# Altium PCB 2012_FDP_PCB.PcbDoc (part 3 of 3)
Units mil, origin at the board's own origin, x right, y up, seen from the top; angles counter-clockwise.
Board outline 5511.81 x 10236.22 mil, 4 copper layers (1-TOP, 2-GND, 3-SIGNAL, 4-BOT); 256 components, 200 nets, 1006 pads, 500 vias.
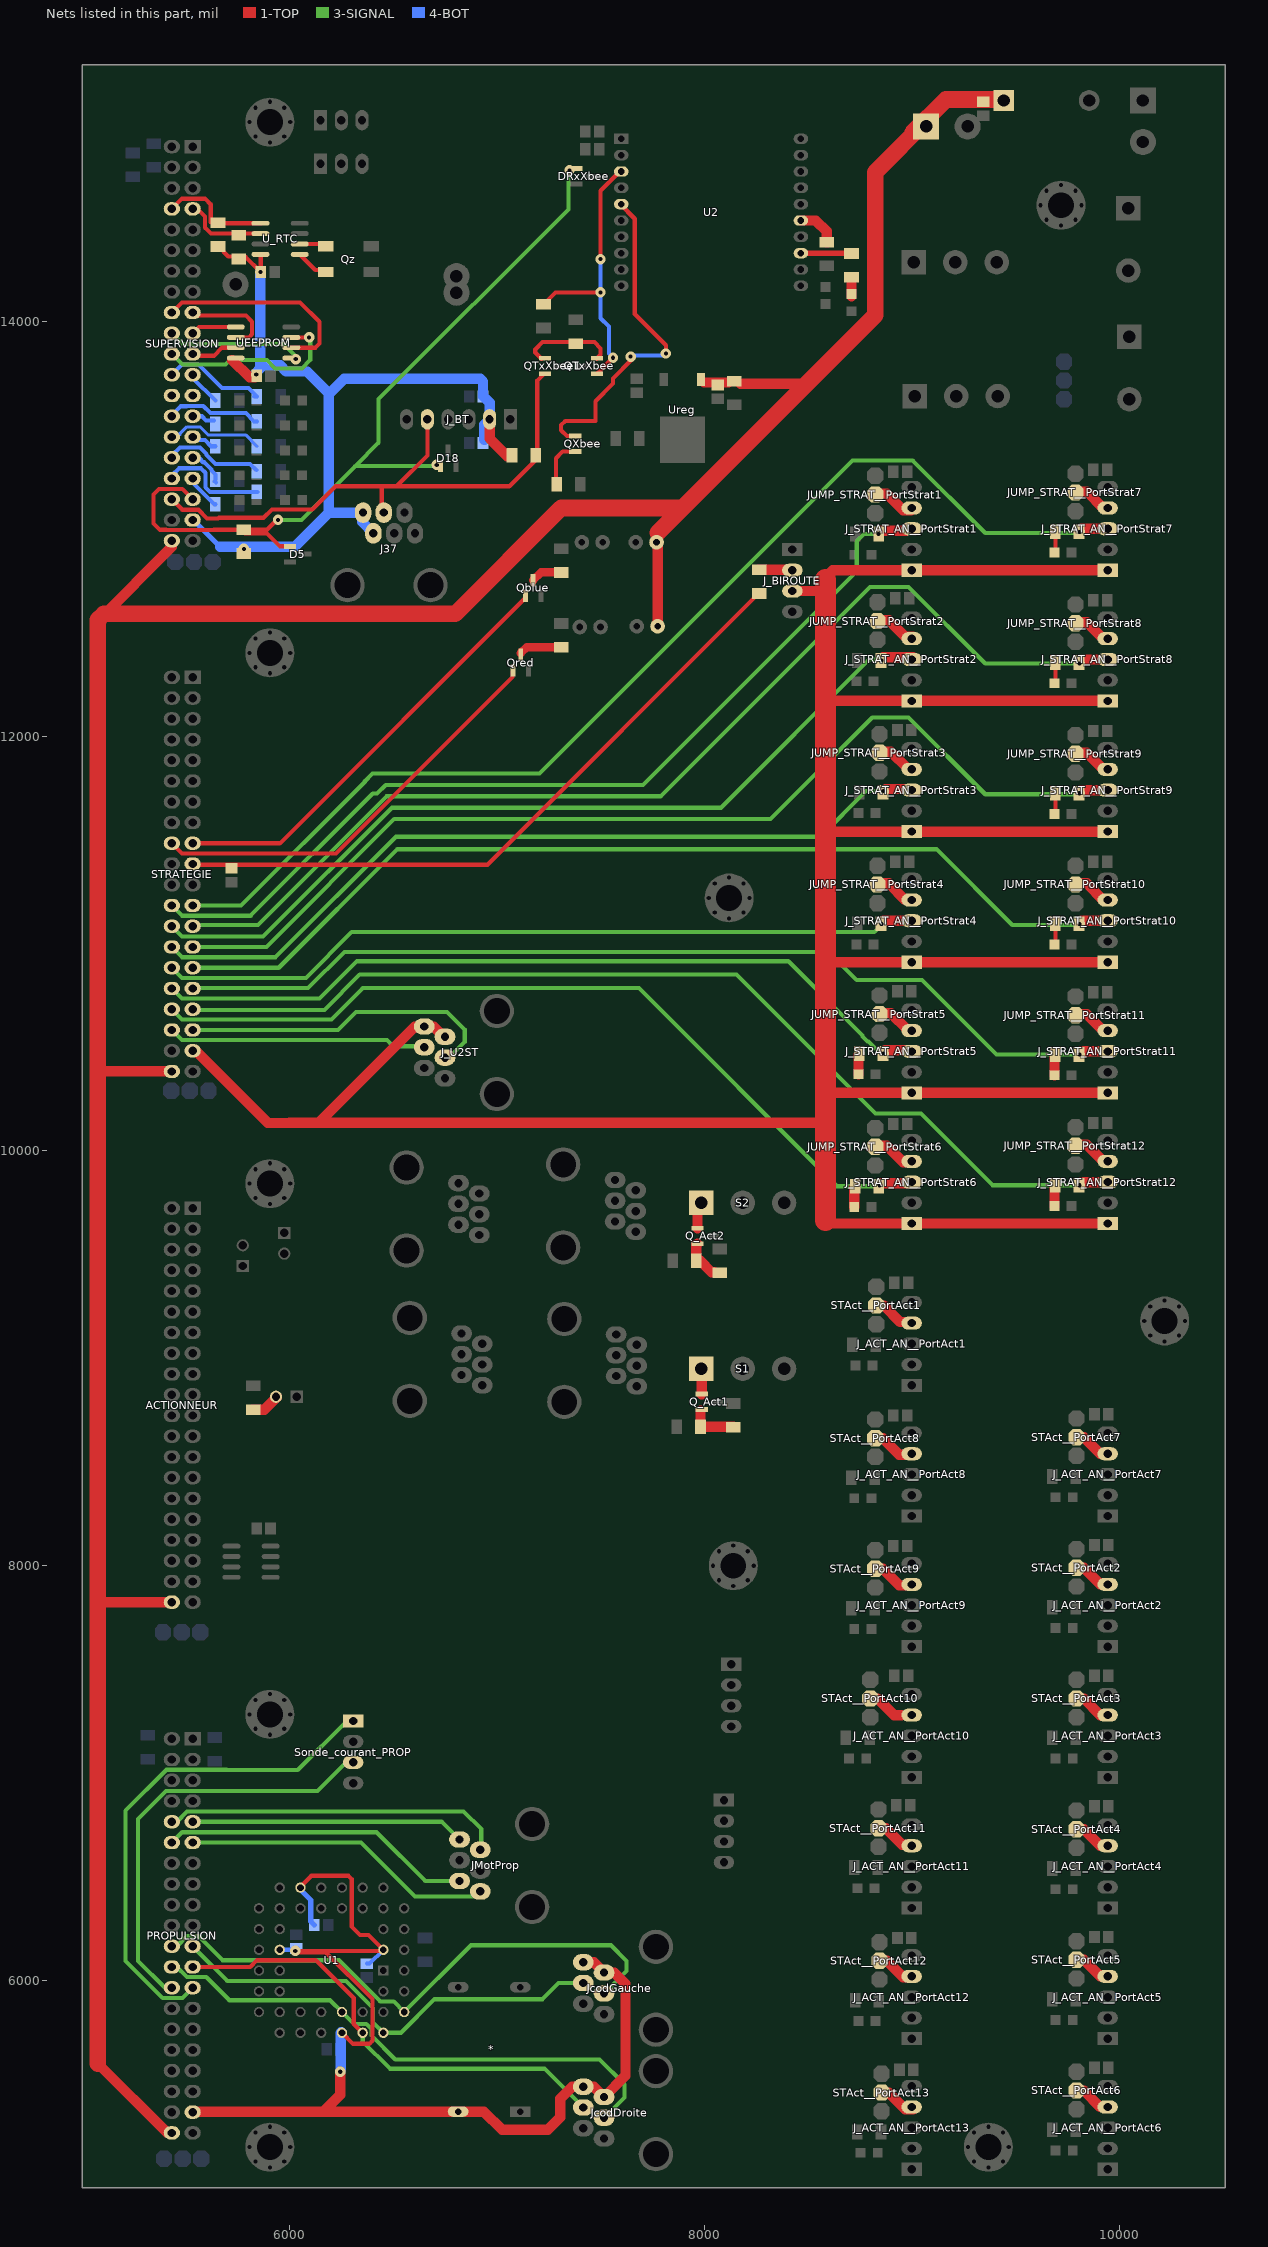
[diagram p5: the nets of this part, all layers, seen from the top]

## Via types
v1: diameter 50, hole 20, 1-TOP to 4-BOT, 500 vias

## Nets (pads, with @x,y where several pads share a name; then routed paths per layer and width w, separated by ;. In a path a pad name is that pad's centre, name@x,y a point inside that pad or via, vN(x,y) a via of type N, cw(c..) or ccw(c..) an arc to the next point about the centre after c; other vN are vias at no path point) (continued)
NetDstrat_PortStrat5_1: Dstrat_PortStrat5.1 RledStrat_PortStrat5.2 | length 101.8
  1-TOP w50: Dstrat_PortStrat5.1@8743.66,10370 8743.66,10465.75 RledStrat_PortStrat5.2@8747.91,10470
NetDstrat_PortStrat6_1: Dstrat_PortStrat6.1 RledStrat_PortStrat6.2 | length 101.8
  1-TOP w50: Dstrat_PortStrat6.1@8723.66,9730 8723.66,9825.75 RledStrat_PortStrat6.2@8727.91,9830
NetDstrat_PortStrat7_1: Dstrat_PortStrat7.1 RledStrat_PortStrat7.2 | length 101.8
  1-TOP w20: Dstrat_PortStrat7.1@9688.66,12885 9692.91,12889.25 RledStrat_PortStrat7.2@9692.91,12985
NetDstrat_PortStrat8_1: Dstrat_PortStrat8.1 RledStrat_PortStrat8.2 | length 101.8
  1-TOP w20: Dstrat_PortStrat8.1@9688.66,12255 9692.91,12259.25 RledStrat_PortStrat8.2@9692.91,12355
NetDstrat_PortStrat9_1: Dstrat_PortStrat9.1 RledStrat_PortStrat9.2 | length 101.8
  1-TOP w20: Dstrat_PortStrat9.1@9688.66,11625 9692.91,11629.25 RledStrat_PortStrat9.2@9692.91,11725
NetDstrat_PortStrat10_1: Dstrat_PortStrat10.1 RledStrat_PortStrat10.2 | length 101.8
  1-TOP w20: Dstrat_PortStrat10.1@9688.66,10995 9692.91,10999.25 RledStrat_PortStrat10.2@9692.91,11095
NetDstrat_PortStrat11_1: Dstrat_PortStrat11.1 RledStrat_PortStrat11.2 | length 101.8
  1-TOP w50: Dstrat_PortStrat11.1@9688.66,10365 9688.66,10460.75 RledStrat_PortStrat11.2@9692.91,10465
NetDstrat_PortStrat12_1: Dstrat_PortStrat12.1 RledStrat_PortStrat12.2 | length 101.8
  1-TOP w50: Dstrat_PortStrat12.1@9688.66,9735 9688.66,9830.75 RledStrat_PortStrat12.2@9692.91,9835
NetDXbee_1: DXbee.1 RXbee.2 | length 91.6
  1-TOP w50: DXbee.1@8710,14120 RXbee.2@8710,14211.57
NetJ_ACT_AN__PortAct1_4: J_ACT_AN__PortAct1.4 STAct__PortAct1.2 | length 183.1
  1-TOP w50: STAct__PortAct1.2@8830,9255 8865,9255 8945,9175 J_ACT_AN__PortAct1.4@8980,9175
NetJ_ACT_AN__PortAct2_4: J_ACT_AN__PortAct2.4 STAct__PortAct2.2 | length 183.1
  1-TOP w50: STAct__PortAct2.2@9795,7990 9830,7990 9910,7910 J_ACT_AN__PortAct2.4@9945,7910
NetJ_ACT_AN__PortAct3_4: J_ACT_AN__PortAct3.4 STAct__PortAct3.2 | length 183.1
  1-TOP w50: STAct__PortAct3.2@9795,7360 9830,7360 9910,7280 J_ACT_AN__PortAct3.4@9945,7280
NetJ_ACT_AN__PortAct4_4: J_ACT_AN__PortAct4.4 STAct__PortAct4.2 | length 183.1
  1-TOP w50: STAct__PortAct4.2@9795,6730 9830,6730 9910,6650 J_ACT_AN__PortAct4.4@9945,6650
NetJ_ACT_AN__PortAct5_4: J_ACT_AN__PortAct5.4 STAct__PortAct5.2 | length 183.1
  1-TOP w50: STAct__PortAct5.2@9795,6100 9830,6100 9910,6020 J_ACT_AN__PortAct5.4@9945,6020
NetJ_ACT_AN__PortAct6_4: J_ACT_AN__PortAct6.4 STAct__PortAct6.2 | length 148.1
  1-TOP w50: STAct__PortAct6.2@9795,5470 9830,5470 J_ACT_AN__PortAct6.4@9910,5390
NetJ_ACT_AN__PortAct7_4: J_ACT_AN__PortAct7.4 STAct__PortAct7.2 | length 183.1
  1-TOP w50: STAct__PortAct7.2@9795,8620 9830,8620 9910,8540 J_ACT_AN__PortAct7.4@9945,8540
NetJ_ACT_AN__PortAct8_4: J_ACT_AN__PortAct8.4 STAct__PortAct8.2 | length 183.1
  1-TOP w50: STAct__PortAct8.2@8825,8615 8860,8615 8940,8535 J_ACT_AN__PortAct8.4@8975,8535
NetJ_ACT_AN__PortAct9_4: J_ACT_AN__PortAct9.4 STAct__PortAct9.2 | length 183.1
  1-TOP w50: STAct__PortAct9.2@8825,7985 8860,7985 8940,7905 J_ACT_AN__PortAct9.4@8975,7905
NetJ_ACT_AN__PortAct10_4: J_ACT_AN__PortAct10.4 STAct__PortAct10.2 | length 183.1
  1-TOP w50: STAct__PortAct10.2@8800,7360 8835,7360 8915,7280 8950,7280
NetJ_ACT_AN__PortAct11_4: J_ACT_AN__PortAct11.4 STAct__PortAct11.2 | length 183.1
  1-TOP w50: STAct__PortAct11.2@8840,6735 8875,6735 8955,6655 J_ACT_AN__PortAct11.4@8990,6655
NetJ_ACT_AN__PortAct12_4: J_ACT_AN__PortAct12.4 STAct__PortAct12.2 | length 183.1
  1-TOP w50: STAct__PortAct12.2@8845,6095 8880,6095 8960,6015 J_ACT_AN__PortAct12.4@8995,6015
NetJ_ACT_AN__PortAct13_4: J_ACT_AN__PortAct13.4 STAct__PortAct13.2 | length 183.1
  1-TOP w50: STAct__PortAct13.2@8855,5460 8890,5460 8970,5380 J_ACT_AN__PortAct13.4@9005,5380
NetJ_BIROUTE_2: J_BIROUTE.2 Rbiroute.2 | length 152.9
  1-TOP w50: Rbiroute.2@8265,12802.09 J_BIROUTE.2@8417.91,12802.09
NetJ_STRAT_AN__PortStrat1_4: J_STRAT_AN__PortStrat1.4 JUMP_STRAT__PortStrat1.2 | length 183.1
  1-TOP w50: JUMP_STRAT__PortStrat1.2@8845,13170 8880,13170 8960,13090 J_STRAT_AN__PortStrat1.4@8995,13090
NetJ_STRAT_AN__PortStrat2_4: J_STRAT_AN__PortStrat2.4 JUMP_STRAT__PortStrat2.2 | length 183.1
  1-TOP w50: JUMP_STRAT__PortStrat2.2@8855,12560 8890,12560 8970,12480 J_STRAT_AN__PortStrat2.4@9005,12480
NetJ_STRAT_AN__PortStrat3_4: J_STRAT_AN__PortStrat3.4 JUMP_STRAT__PortStrat3.2 | length 183.1
  1-TOP w50: JUMP_STRAT__PortStrat3.2@8865,11925 8900,11925 8980,11845 J_STRAT_AN__PortStrat3.4@9015,11845
NetJ_STRAT_AN__PortStrat4_4: J_STRAT_AN__PortStrat4.4 JUMP_STRAT__PortStrat4.2 | length 183.1
  1-TOP w50: JUMP_STRAT__PortStrat4.2@8855,11290 8890,11290 8970,11210 J_STRAT_AN__PortStrat4.4@9005,11210
NetJ_STRAT_AN__PortStrat5_4: J_STRAT_AN__PortStrat5.4 JUMP_STRAT__PortStrat5.2 | length 183.1
  1-TOP w50: JUMP_STRAT__PortStrat5.2@8865,10665 8900,10665 8980,10585 J_STRAT_AN__PortStrat5.4@9015,10585
NetJ_STRAT_AN__PortStrat6_4: J_STRAT_AN__PortStrat6.4 JUMP_STRAT__PortStrat6.2 | length 183.1
  1-TOP w50: JUMP_STRAT__PortStrat6.2@8845,10025 8880,10025 8960,9945 J_STRAT_AN__PortStrat6.4@8995,9945
NetJ_STRAT_AN__PortStrat7_4: J_STRAT_AN__PortStrat7.4 JUMP_STRAT__PortStrat7.2 | length 168.1
  1-TOP w50: JUMP_STRAT__PortStrat7.2@9790,13180 9845,13180 J_STRAT_AN__PortStrat7.4@9925,13100
NetJ_STRAT_AN__PortStrat8_4: J_STRAT_AN__PortStrat8.4 JUMP_STRAT__PortStrat8.2 | length 183.1
  1-TOP w50: JUMP_STRAT__PortStrat8.2@9810,12550 9845,12550 9925,12470 J_STRAT_AN__PortStrat8.4@9960,12470
NetJ_STRAT_AN__PortStrat9_4: J_STRAT_AN__PortStrat9.4 JUMP_STRAT__PortStrat9.2 | length 183.1
  1-TOP w50: JUMP_STRAT__PortStrat9.2@9810,11920 9845,11920 9925,11840 J_STRAT_AN__PortStrat9.4@9960,11840
NetJ_STRAT_AN__PortStrat10_4: J_STRAT_AN__PortStrat10.4 JUMP_STRAT__PortStrat10.2 | length 183.1
  1-TOP w50: JUMP_STRAT__PortStrat10.2@9810,11290 9845,11290 9925,11210 J_STRAT_AN__PortStrat10.4@9960,11210
NetJ_STRAT_AN__PortStrat11_4: J_STRAT_AN__PortStrat11.4 JUMP_STRAT__PortStrat11.2 | length 183.1
  1-TOP w50: JUMP_STRAT__PortStrat11.2@9810,10660 9845,10660 9925,10580 J_STRAT_AN__PortStrat11.4@9960,10580
NetJ_STRAT_AN__PortStrat12_4: J_STRAT_AN__PortStrat12.4 JUMP_STRAT__PortStrat12.2 | length 183.1
  1-TOP w50: JUMP_STRAT__PortStrat12.2@9810,10030 9845,10030 9925,9950 J_STRAT_AN__PortStrat12.4@9960,9950
NetQ_Act1_2: Q_Act1.2 Rp_act1.1 RQ_act1.1 | length 227.1
  1-TOP w50: RQ_act1.1@7982.09,8670 Q_Act1.2@7982.09,8747.09 ; RQ_act1.1@7990,8670 Rp_act1.1@8140,8670
NetQ_Act2_2: Q_Act2.2 Rp_act2.1 RQ_act2.1 | length 192.7
  1-TOP w50: RQ_act2.1@7960,9470 7980,9470 8035,9415 Rp_act2.1@8045,9415 ; RQ_act2.1@7962.09,9470 7962.09,9547.09 Q_Act2.2@7967.6,9552.6
NetQblue_3: Qblue.3 R13.1 | length 145.6
  1-TOP w40: Qblue.3@7175,12752.4 7212.6,12790 R13.1@7305,12790
NetQred_3: Qred.3 R12.1 | length 207.1
  1-TOP w40: Qred.3@7115,12400 7144.21,12429.21 R12.1@7310,12429.21
NetQTxXbee1_1: QTxXbee1.1 QTxXbee.2 RTxXbee1.2 | length 457.6
  1-TOP w20: QTxXbee1.1@7215,13820 7185,13850 7185,13865 7220,13900 7470,13900 7500,13870 7500,13840 QTxXbee.2@7482.4,13822.4 QTxXbee.2@7480,13820
NetQTxXbee_1: QTxXbee.1 RTxXbee.2 U2.3 | length 1340.7
  1-TOP w20: RTxXbee.2@7225,14082.09 7282.91,14140 v1@7485,14140 ; QTxXbee.1@7482.4,13747.6 v1@7555,13820 ; v1(7500,14300) 7500,14630 U2.3@7595,14725
  4-BOT w20: v1@7500,14290 v1(7500,14140) 7500,14015 7540,13975 7540,13845 v1(7560,13825)
NetQXbee_1: QXbee.1 U2.5 | length 1658.6
  1-TOP w20: QXbee.1@7362.6,13447.4 QXbee.1@7377.6,13447.4 7337.6,13447.4 7310,13475 7310,13500 7330,13520 7475,13520 7475,13615 7560,13700 7560,13725 v1@7652.5,13817.5 ; U2.5@7595,14565 7665,14495 7665,14035 7815,13885 v1(7815,13845)
  4-BOT w20: v1@7635,13835 7805,13835 v1(7815,13845)
  other v1: 7645,13830
NetQz_1: Qz.1 U_RTC.1 | length 161.6
  1-TOP w20: U_RTC.1@6049.49,14323.07 6124.49,14248.07 Qz.1@6180,14248.07
NetQz_4: Qz.4 U_RTC.2 | length 122.6
  1-TOP w20: U_RTC.2@6049.49,14373.07 6165,14373.07 Qz.4@6170,14368.07
NetRAssociateXbee_1: RAXbee.1 U2.15 | length 198
  1-TOP w50: U2.15@8466.14,14486.3 8538.7,14486.3 8590,14435 RAXbee.1@8590,14382.09
NetRXbee_1: RXbee.1 U2.13 | length 248.7
  1-TOP w25: U2.13@8466.14,14328.82 8698.27,14328.82 RXbee.1@8710,14317.09
PROP_5V: *.14 Cd1_CPLD.2 Cd2_CPLD.2 Cd3_CPLD.2 Cd4_CPLD.2 JcodDroite.1 JcodDroite.2 JcodGauche.1 JcodGauche.2 PROPULSION.37 U1.3 U1.15 U1.23 U1.35 | length 5839.4
  1-TOP w20: v1@6025,6135 6175,6135 6400,5910 6400,5710 6385,5695 6306.22,5695 U1.35@6253.07,5748.15 ; v1(6028.07,6143.15) 6456.85,6143.15 U1.3@6460,6140 ; U1.15@6050,6450 6105,6505 6285,6505 6300,6490 6300,6260 6340,6220 6381.22,6220 U1.3@6453.07,6148.15 ; U1.15@6053.07,6448.15 U1.15@6063.07,6448.15
  1-TOP w50: PROPULSION.37@5525,5370 5526.85,5368.15 *.14@6813.07,5368.15 6936.85,5368.15 7025,5280 7245,5280 7305,5340 7305,5430 7363.07,5488.07 JcodDroite.1@7416.85,5488.07 7467.24,5488.07 JcodDroite.2@7516.85,5438.46 7620,5541.61 7620,5985 7566.54,6038.46 JcodGauche.2@7516.85,6038.46 7467.24,6088.07 JcodGauche.1@7416.85,6088.07 ; 6170,5375 6245,5450 v1(6245,5560)
  4-BOT w20: U1.23@5953.07,6148.15 6008.07,6148.15 v1@6028.07,6128.15 ; U1.35@6248.07,5738.15 U1.35@6258.07,5748.15 ; Cd1_CPLD.2@6373.07,6081.61 6386.53,6081.61 U1.3@6453.07,6148.15
  4-BOT w25: U1.15@6053.07,6453.15 U1.15@6053.07,6448.15 6053.07,6438.15 6103.07,6388.15 6103.07,6284.69 Cd4_CPLD.2@6119.61,6268.15
  4-BOT w50: v1@6245,5565 6246.53,5566.53 Cd3_CPLD.2@6246.53,5668.15 6246.53,5746.53 U1.35@6250,5750
PROP_AN2: PROPULSION.26 Sonde_courant_PROP.3 | length 2050.7
  3-SIGNAL w20: PROPULSION.26@5433.07,5965.35 5399.65,5965.35 5270,6095 5270,6778.99 5405.46,6914.44 6134.44,6914.44 6271.85,7051.85 Sonde_courant_PROP.3@6306.93,7051.85
PROP_AN3: PROPULSION.25 Sonde_courant_PROP.1 | length 2418.7
  3-SIGNAL w20: PROPULSION.25@5533.07,5965.35 5483.98,5916.27 5388.73,5916.27 5210,6095 5210,6818.99 5407.28,7016.27 5696.27,7016.27 5697.54,7015 6040,7015 6276.85,7251.85 Sonde_courant_PROP.1@6306.93,7251.85
PROP_C1A: JcodGauche.3 PROPULSION.21 U1.39 | length 2208.9
  3-SIGNAL w20: PROPULSION.21@5533.07,6165.35 5700.28,5998.15 5815,5998.15 ; 5803.07,5998.15 5815,5998.15 ; JcodGauche.3@7416.85,5988.07 7298.07,5988.07 7220,5910 6700,5910 6538.15,5748.15 U1.39@6453.07,5748.15 6403.07,5798.15 6403.07,5868.15 6273.07,5998.15 5815,5998.15
PROP_C1B: JcodGauche.4 PROPULSION.22 U1.40 | length 2749.1
  3-SIGNAL w20: PROPULSION.22@5433.07,6165.35 5456.37,6165.35 5505.46,6214.44 5560.69,6214.44 5589.76,6185.37 5647.91,6127.22 5676.98,6098.15 5815,6098.15 ; 5803.07,6098.15 5815,6098.15 ; U1.40@6553.07,5843.15 U1.40@6558.07,5848.15 ; JcodGauche.4@7516.85,5938.07 7625,6046.22 7625,6095 7550,6170 6874.92,6170 U1.40@6553.07,5848.15 6503.07,5898.15 6438.07,5898.15 6238.07,6098.15 5815,6098.15
PROP_C2A: JcodDroite.3 PROPULSION.23 U1.37 | length 2288.1
  1-TOP w20: PROPULSION.23@5533.07,6065.35 5810.88,6065.35 5843.67,6098.15 6126.85,6098.15 6310,5915 6310,5791.22 U1.37@6353.07,5748.15
  3-SIGNAL w20: U1.37@6353.07,5748.15 6353.07,5706.93 6485,5575 7229.92,5575 JcodDroite.3@7416.85,5388.07
PROP_C2B: JcodDroite.4 PROPULSION.24 U1.36 | length 2636.6
  3-SIGNAL w20: PROPULSION.24@5433.07,6065.35 5456.37,6065.35 5505.46,6016.27 5598.73,6016.27 5710,5905 6196.22,5905 U1.36@6253.07,5848.15 6311.07,5790.15 6370.47,5790.15 6395.07,5765.55 6395.07,5734.93 6510,5620 7495,5620 7615,5500 7615,5436.22 JcodDroite.4@7516.85,5338.07
PROP_PWM1: JMotProp.2 PROPULSION.10 | length 1649.4
  3-SIGNAL w20: PROPULSION.10@5433.07,6765.35 5456.37,6765.35 5505.46,6814.44 5560.69,6814.44 5561.25,6815 6840,6815 6925,6730 6925,6635.39 JMotProp.2@6920,6630.39
PROP_PWM2: JMotProp.5 PROPULSION.12 | length 1504.8
  3-SIGNAL w20: PROPULSION.12@5433.07,6665.35 5482.72,6715 6420,6715 6655,6480 JMotProp.5@6820,6480
PROP_SENS1: JMotProp.1 PROPULSION.9 | length 1322.3
  3-SIGNAL w20: PROPULSION.9@5533.07,6765.35 6734.65,6765.35 JMotProp.1@6820,6680
PROP_SENS2: JMotProp.6 PROPULSION.11 | length 1505.1
  3-SIGNAL w20: PROPULSION.11@5533.07,6665.35 6344.65,6665.35 6605,6405 6895,6405 JMotProp.6@6920,6430
RB2: SUPERVISION.26
RB3: SUPERVISION.25
RB4: R4.1 SUPERVISION.24 | length 525
  4-BOT w20: SUPERVISION.24@5456.37,13742.52 SUPERVISION.24@5433.07,13742.52 5482.16,13791.61 5560.69,13791.61 5674.3,13677.99 5802.99,13677.99 R4.1@5842.91,13638.07 ; R4.1@5830,13638.07 R4.1@5837.91,13638.07
RB5: R9.1 SUPERVISION.23 | length 169.9
  4-BOT w20: SUPERVISION.23@5533.07,13742.52 5533.07,13727.91 R9.1@5642.91,13618.07
RB8: R10.1 SUPERVISION.34 | length 511.1
  4-BOT w20: SUPERVISION.34@5435,13260 5466.61,13291.61 5573.39,13291.61 5595,13270 5595,13200 5616.93,13178.07 R10.1@5842.91,13178.07 R10.1@5845,13178.07
RB9: R16.1 SUPERVISION.33 | length 162
  4-BOT w20: SUPERVISION.33@5540,13235 5540,13216.82 5638.75,13118.07 R16.1@5642.91,13118.07
RB10: R8.1 SUPERVISION.32 | length 467.5
  4-BOT w20: SUPERVISION.32@5435,13355 5471.61,13391.61 5568.39,13391.61 5600.32,13359.68 5600.32,13355.6 5642.85,13313.07 5810,13313.07 R8.1@5840,13283.07
RB11: R15.1 SUPERVISION.31 | length 169.2
  4-BOT w20: SUPERVISION.31@5540,13340 5565,13340 5584.48,13320.52 5589.48,13320.52 5623.44,13286.56 5623.44,13281.56 5642.91,13262.09 R15.1@5642.91,13238.07 ; R15.1@5640,13228.07 R15.1@5645,13223.07
RB12: R6.1 SUPERVISION.30 | length 490.1
  4-BOT w15: SUPERVISION.30@5468.85,13455 5505.46,13491.61 5568.39,13491.61 5607.43,13452.57 5788.42,13452.57 R6.1@5842.91,13398.07
  4-BOT w20: SUPERVISION.30@5430,13455 SUPERVISION.30@5468.85,13455 ; SUPERVISION.30@5433.07,13442.52 SUPERVISION.30@5456.37,13442.52
RB13: R14.1 SUPERVISION.29 | length 128.3
  4-BOT w20: SUPERVISION.29@5533.07,13442.52 5547.59,13428 5592,13428 5621.93,13398.07 R14.1@5642.91,13398.07
RB14: R7.1 SUPERVISION.28 | length 471.8
  4-BOT w20: SUPERVISION.28@5433.07,13542.52 SUPERVISION.28@5456.37,13542.52 ; SUPERVISION.28@5440,13555 5475.58,13590.58 5504.42,13590.58 5505.46,13591.61 5584.31,13591.61 5618.49,13557.43 5789.72,13557.43 5829.08,13518.07 R7.1@5842.91,13518.07
RB15: R11.1 SUPERVISION.27 | length 111.6
  4-BOT w20: SUPERVISION.27@5533.07,13542.52 5577.48,13542.52 5598,13522 R11.1@5636.18,13522
RE8: SUPERVISION.21 UEEPROM.7 | length 216.6
  1-TOP w20: SUPERVISION.21@5533.07,13842.52 5541.56,13834.04 5635.96,13834.04 5675,13873.07 UEEPROM.7@5730,13873.07
RE9: SUPERVISION.22 UEEPROM.3 | length 928.3
  1-TOP w20: UEEPROM.3@6008.86,13923.07 v1(6095,13923.07)
  3-SIGNAL w20: SUPERVISION.22@5433.07,13842.52 5483.98,13791.61 5692.29,13791.61 5713.75,13813.07 5891.25,13813.07 5931.25,13773.07 6060,13773.07 6100,13813.07 6100,13918.07 v1(6095,13923.07)
REMOTE_SERVO: Remote.2 RremoteServo.2 | length 140.7
  1-TOP w50: RremoteServo.2@5825,8752.91 5877.91,8752.91 Remote.2@5940,8815
RG2: QXbee.2 RpXbee.1 | length 246.2
  1-TOP w20: RpXbee.1@7285,13200 7285,13340.2 7317.4,13372.6 QXbee.2@7377.6,13372.6
SCK2: SUPERVISION.17 UEEPROM.6 | length 450.4
  1-TOP w20: SUPERVISION.17@5533.07,14042.52 5547.52,14028.07 5790,14028.07 5820,13998.07 5820,13938.07 5805,13923.07 UEEPROM.6@5741.14,13923.07
SCL: Rscl.1 SUPERVISION.7 U_RTC.6 | length 408.3
  1-TOP w20: SUPERVISION.7@5533.07,14542.52 5556.03,14542.52 5593.55,14505 5593.55,14451.45 5600,14445 5600.09,14445 5622.02,14423.07 U_RTC.6@5860.51,14423.07
SDA: Rsda.1 SUPERVISION.8 U_RTC.5 | length 546.6
  1-TOP w20: SUPERVISION.8@5433.07,14542.52 5482.16,14591.61 5593.39,14591.61 5620.55,14564.45 5620.55,14478.07 5652.09,14478.07 Rsda.1@5655,14475.16 ; Rsda.1@5655,14473.07 U_RTC.5@5860.51,14473.07
SDI2: SUPERVISION.18 UEEPROM.2 | length 1020.4
  1-TOP w20: SUPERVISION.18@5433.07,14042.52 5482.16,14091.61 6051.46,14091.61 6145,13998.07 6145,13893.07 6125,13873.07 UEEPROM.2@6008.86,13873.07
SDO2: SUPERVISION.19 UEEPROM.5 | length 220.7
  1-TOP w20: SUPERVISION.19@5533.07,13942.52 5563.62,13973.07 UEEPROM.5@5741.14,13973.07
SS2: SUPERVISION.20 UEEPROM.1 | length 663.4
  1-TOP w20: UEEPROM.1@6008.86,13823.07 UEEPROM.1@6015,13823.07
  3-SIGNAL w20: SUPERVISION.20@5433.07,13942.52 5483.98,13891.61 5971.46,13891.61 6030,13833.07 v1(6030,13818.07)
STRAT_5V: J_BIROUTE.3 J_STRAT_AN__PortStrat1.1 J_STRAT_AN__PortStrat2.1 J_STRAT_AN__PortStrat3.1 J_STRAT_AN__PortStrat4.1 J_STRAT_AN__PortStrat5.1 J_STRAT_AN__PortStrat6.1 J_STRAT_AN__PortStrat7.1 J_STRAT_AN__PortStrat8.1 J_STRAT_AN__PortStrat9.1 J_STRAT_AN__PortStrat10.1 J_STRAT_AN__PortStrat11.1 J_STRAT_AN__PortStrat12.1 J_U2ST.1 J_U2ST.2 STRATEGIE.37 | length 15433.6
  1-TOP w50: STRATEGIE.37@5545,10485 5895,10135 6140,10135 6141.3,10136.3 ; 6000,10136.3 6141.3,10136.3 ; J_U2ST.2@6740,10555 6695,10600 6605,10600 6141.3,10136.3 ; J_BIROUTE.3@8425,12700 8575,12700 ; 8548.7,10136.3 6141.3,10136.3 ; 8575,12755 8620,12800 J_STRAT_AN__PortStrat1.1@9000,12800 ; 8590,10910 J_STRAT_AN__PortStrat4.1@9000,10910 ; 8595,11540 J_STRAT_AN__PortStrat3.1@9000,11540 J_STRAT_AN__PortStrat9.1@9945,11540 ; 8600,12170 J_STRAT_AN__PortStrat2.1@9000,12170 ; 8615,9650 J_STRAT_AN__PortStrat6.1@9000,9650 J_STRAT_AN__PortStrat12.1@9945,9650 ; 8620,10280 J_STRAT_AN__PortStrat5.1@9000,10280 J_STRAT_AN__PortStrat11.1@9945,10280 ; J_STRAT_AN__PortStrat4.1@9005,10910 J_STRAT_AN__PortStrat10.1@9950,10910 ; J_STRAT_AN__PortStrat1.1@9005,12800 J_STRAT_AN__PortStrat7.1@9950,12800 ; J_STRAT_AN__PortStrat2.1@9010,12170 J_STRAT_AN__PortStrat8.1@9955,12170
  1-TOP w100: 8585,9665 8585,12755
STRAT_IN_OUT1: J_STRAT_AN__PortStrat1.3 RledStrat_PortStrat1.1 STRATEGIE.24 | length 4436.7
  1-TOP w50: RledStrat_PortStrat1.1@8842.09,12980 8852.09,12990 J_STRAT_AN__PortStrat1.3@8995,12990
  3-SIGNAL w20: STRATEGIE.24@5433.07,11183.46 5482.16,11134.38 5813.08,11134.38 6401.7,11723 6422.4,11723 6464.4,11765 7705,11765 8735,12795 8735,12940 8770,12975 v1(8840,12975) v1@8845,12975
STRAT_IN_OUT2: J_STRAT_AN__PortStrat2.3 RledStrat_PortStrat2.1 STRATEGIE.26 | length 4154.6
  1-TOP w50: RledStrat_PortStrat2.1@8852.09,12370 8862.09,12380 J_STRAT_AN__PortStrat2.3@9005,12380
  3-SIGNAL w20: STRATEGIE.26@5433.07,11083.46 5482.16,11034.38 5873.08,11034.38 6493.7,11655 8080,11655 8795,12370 8850,12370 v1(8855,12365)
STRAT_IN_OUT3: J_STRAT_AN__PortStrat3.3 RledStrat_PortStrat3.1 STRATEGIE.28 | length 3945.1
  1-TOP w50: RledStrat_PortStrat3.1@8860,11730 8875,11745 J_STRAT_AN__PortStrat3.3@9015,11745
  3-SIGNAL w20: STRATEGIE.28@5433.07,10983.46 5482.16,10934.38 5933.08,10934.38 6513.7,11515 8560,11515 8780,11735 v1(8865,11735)
STRAT_IN_OUT4: J_STRAT_AN__PortStrat4.3 RledStrat_PortStrat4.1 STRATEGIE.30 | length 3705.2
  1-TOP w50: RledStrat_PortStrat4.1@8852.09,11100 8862.09,11110 J_STRAT_AN__PortStrat4.3@9000,11110 J_STRAT_AN__PortStrat4.3@9005,11110
  3-SIGNAL w20: STRATEGIE.30@5433.07,10883.46 5482.16,10834.38 6079.38,10834.38 6300,11055 8820,11055 v1@8855,11090
  other v1: 8855,11095
STRAT_IN_OUT5: J_STRAT_AN__PortStrat5.3 RledStrat_PortStrat5.1 STRATEGIE.32 | length 3882.2
  1-TOP w50: RledStrat_PortStrat5.1@8862.09,10475 8872.09,10485 J_STRAT_AN__PortStrat5.3@9015,10485
  3-SIGNAL w20: STRATEGIE.32@5433.07,10783.46 5482.16,10734.38 6144.38,10734.38 6325,10915 8405,10915 8763,10557 8763,10552.6 8787.6,10528 8792,10528 8835,10485 8835,10480 8855,10460 v1(8865,10470)
STRAT_IN_OUT6: J_STRAT_AN__PortStrat6.3 RledStrat_PortStrat6.1 STRATEGIE.34 | length 4047.3
  1-TOP w50: RledStrat_PortStrat6.1@8842.09,9835 8852.09,9845 J_STRAT_AN__PortStrat6.3@8995,9845
  3-SIGNAL w20: STRATEGIE.34@5433.07,10683.46 5482.16,10634.38 6203.08,10634.38 6353.7,10785 7685,10785 8640,9830 v1@8845,9830
  other v1: 8845,9835
STRAT_IN_OUT7: J_STRAT_AN__PortStrat7.3 RledStrat_PortStrat7.1 STRATEGIE.23 | length 5469.9
  1-TOP w50: RledStrat_PortStrat7.1@9807.09,12990 9817.09,13000 J_STRAT_AN__PortStrat7.3@9945,13000 J_STRAT_AN__PortStrat7.3@9960,13000
  3-SIGNAL w20: STRATEGIE.23@5533.07,11183.46 5767.17,11183.46 6363,11779.3 6363,11782.4 6400.6,11820 7205,11820 8715,13330 9005,13330 9355,12980 v1@9810,12980
  other v1: 9810,12985
STRAT_IN_OUT8: J_STRAT_AN__PortStrat8.3 RledStrat_PortStrat8.1 STRATEGIE.25 | length 5265.1
  1-TOP w50: RledStrat_PortStrat8.1@9807.09,12360 9817.09,12370 J_STRAT_AN__PortStrat8.3@9945,12370 J_STRAT_AN__PortStrat8.3@9960,12370
  3-SIGNAL w20: STRATEGIE.25@5533.07,11083.46 5539.61,11090 5848.7,11090 6468.7,11710 7790,11710 8800,12720 8985,12720 9355,12350 v1(9810,12350)
STRAT_IN_OUT9: J_STRAT_AN__PortStrat9.3 RledStrat_PortStrat9.1 STRATEGIE.27 | length 5045.6
  1-TOP w50: RledStrat_PortStrat9.1@9807.09,11730 9817.09,11740 J_STRAT_AN__PortStrat9.3@9945,11740 J_STRAT_AN__PortStrat9.3@9960,11740
  3-SIGNAL w20: STRATEGIE.27@5533.07,10983.46 5888.46,10983.46 6505,11600 8320,11600 8810,12090 8985,12090 9355,11720 v1@9810,11720
  other v1: 9810,11725
STRAT_IN_OUT10: J_STRAT_AN__PortStrat10.3 RledStrat_PortStrat10.1 STRATEGIE.29 | length 4821.9
  1-TOP w50: RledStrat_PortStrat10.1@9807.09,11100 9817.09,11110 J_STRAT_AN__PortStrat10.3@9945,11110 J_STRAT_AN__PortStrat10.3@9960,11110
  3-SIGNAL w20: STRATEGIE.29@5533.07,10883.46 5948.46,10883.46 6520,11455 9120,11455 9485,11090 v1@9810,11090
  other v1: 9810,11095
STRAT_IN_OUT11: J_STRAT_AN__PortStrat11.3 RledStrat_PortStrat11.1 STRATEGIE.31 | length 4707.1
  1-TOP w50: RledStrat_PortStrat11.1@9807.09,10470 9817.09,10480 J_STRAT_AN__PortStrat11.3@9945,10480 J_STRAT_AN__PortStrat11.3@9960,10480
  3-SIGNAL w20: STRATEGIE.31@5533.07,10783.46 5534.61,10785 6090,10785 6265,10960 8600,10960 8735,10825 9050,10825 9410,10465 v1@9805,10465
  other v1: 9810,10465
STRAT_IN_OUT12: J_STRAT_AN__PortStrat12.3 RledStrat_PortStrat12.1 STRATEGIE.33 | length 4931.3
  1-TOP w50: RledStrat_PortStrat12.1@9807.09,9840 9817.09,9850 J_STRAT_AN__PortStrat12.3@9945,9850 J_STRAT_AN__PortStrat12.3@9960,9850
  3-SIGNAL w20: STRATEGIE.33@5533.07,10683.46 5536.54,10680 6168.7,10680 6338.7,10850 8155,10850 8825,10180 9045,10180 9390,9835 v1(9810,9835) v1@9815,9835
STRAT_RG6_BLUE: Qblue.1 STRATEGIE.17 | length 2098.4
  1-TOP w20: STRATEGIE.17@5533.07,11483.46 5953.46,11483.46 Qblue.1@7140,12670
STRAT_RG7_RED: Qred.1 STRATEGIE.18 | length 2039.6
  1-TOP w20: STRATEGIE.18@5433.07,11483.46 5482.16,11434.38 6224.38,11434.38 7075,12285 Qred.1@7075,12310
STRAT_RG8_DEM: Cdbiroute.2 Rbiroute.1 STRATEGIE.19 | length 3278.9
  1-TOP w15: STRATEGIE.19@5533.07,11383.46 STRATEGIE.19@5536.54,11380
  1-TOP w20: STRATEGIE.19@5536.54,11380 6955,11380 8260,12685 Rbiroute.1@8270,12685
SUP_5V: Cd_BT_1.2 Cd_BT_2.2 Cd_EEPROM.2 Cd_RTC.2 J37.1 J37.2 J_BT.2 RpuTx.1 Rscl.2 Rsda.2 Ru2rx_Sup.2 SUPERVISION.37 U_RTC.8 UEEPROM.8 | length 4296.5
  1-TOP w20: Rsda.2@5660,14358.07 5705,14313.07 5786.54,14313.07 Cd_RTC.2@5861.54,14238.07 5861.54,14321.53 U_RTC.8@5860,14323.07
  1-TOP w50: UEEPROM.8@5725,13813.07 5808.07,13730 5833.47,13730 Cd_EEPROM.2@5841.54,13738.07 ; J_BT.2@6965,13528.07 6965,13435 RpuTx.1@7050,13350
  4-BOT w25: SUPERVISION.37@5540,13035 5543.07,13035 5665,12913.07
  4-BOT w50: 5665,12913.07 6025,12913.07 6190,13078.07 ; v1@5835,13748.07 5860,13773.07 ; v1(5860,14238.07) 5860,13773.07 ; J37.1@6343.07,13078.07 6190,13078.07 ; J37.1@6355,13078.07 6350,13073.07 6350,13032.68 J37.2@6404.61,12978.07 ; Cd_BT_1.2@6933.46,13638.07 6933.46,13709.61 6920,13723.07 6265,13723.07 6190,13648.07 ; Cd_BT_2.2@6938.46,13428.07 6938.46,13501.53 J_BT.2@6965,13528.07 6965,13608.07 Cd_BT_1.2@6940,13633.07 ; 5860,13773.07 5875,13788.07 5955,13788.07 5985,13758.07 6085,13758.07 6190,13653.07 6190,13648.07 ; 6190,13078.07 6190,13648.07
  other v1: 5780,12903.07 5840,13743.07
SUP_U2RX: D5.1 D18.1 DRxXbee.1 Ru2rx_Sup.1 SUPERVISION.35 | length 3965.9
  1-TOP w20: SUPERVISION.35@5530,13145 5483.39,13191.61 5371.61,13191.61 5345,13165 5345,13025 5375,12995 5403.89,12995 5405.46,12993.43 5635.36,12993.43 5636.93,12995 5771.93,12995 Ru2rx_Sup.1@5775,12998.07 ; Ru2rx_Sup.1@5780,12995.16 5892.09,12995.16 v1@5950,13053.07 ; Ru2rx_Sup.1@5785,12978.07 5891.93,12978.07 5954.53,12915.47 D5.1@6002.6,12915.47
  3-SIGNAL w20: v1(5945,13043.07) 6058.07,13043.07 6317.5,13302.5 ; v1@6707.5,13302.5 6317.5,13302.5 ; v1@7345,14735 7345,14540 6430,13625 6430,13415 6317.5,13302.5
  other v1: 6710,13308.07 7350,14728.07
SUP_U2TX: J37.3 J_BT.5 QTxXbee1.2 RpuTx.2 SUPERVISION.36 | length 2894.6
  1-TOP w20: SUPERVISION.36@5430,13145 5483.39,13091.61 5560.69,13091.61 5602.29,13050 5656.93,13050 5660,13053.07 5875,13053.07 5915,13093.07 6110,13093.07 6221.93,13205 6445,13205 ; J37.3@6460,13078.07 J37.3@6460,13080 ; J37.3@6460,13108.07 J37.3@6460,13080 ; J37.3@6465,13075 J37.3@6460,13080 ; J_BT.5@6665,13528.07 6665,13353.07 6516.93,13205 ; QTxXbee1.2@7225,13745 7195,13715 7195,13340 7060,13205 6516.93,13205 ; 6445,13205 6445,13095 J37.3@6460,13080 ; 6445,13205 6516.93,13205
TOR1: Q_Act1.1 S1.1 | length 120
  1-TOP w50: Q_Act1.1@7987.6,8827.4 S1.1@7987.6,8947.4
TOR2: Q_Act2.1 S2.1 | length 129.8
  1-TOP w50: Q_Act2.1@7967.6,9627.4 7967.6,9732.6 S2.1@7985,9750
U2RX_STRAT: J_U2ST.4 STRATEGIE.35 | length 1556.1
  3-SIGNAL w20: STRATEGIE.35@5533.07,10583.46 6233.46,10583.46 6320,10670 6760,10670 6845,10585 6845,10525 J_U2ST.4@6765,10445
U2TX_STRAT: J_U2ST.3 STRATEGIE.36 | length 1244.4
  3-SIGNAL w20: STRATEGIE.36@5433.07,10583.46 5482.16,10534.38 6470.62,10534.38 6500,10505 J_U2ST.3@6645,10505
VCC: ACTIONNEUR.40 CdVcc.2 Cin2.2 Cin.2 DBlue1.1 Dprotect.2 DRed1.1 JalimBal.1 PROPULSION.40 STRATEGIE.40 SUPERVISION.40 Ureg.1 | length 15661.8
  1-TOP w50: 5075,5600 5409.65,5265.35 PROPULSION.40@5433.07,5265.35 ; 5080,12560 5433.07,12913.07 SUPERVISION.40@5433.07,12942.52 ; 5090,10383.46 STRATEGIE.40@5433.07,10383.46 ; 5100,7824.41 ACTIONNEUR.40@5433.07,7824.41 ; DBlue1.1@7765,12945 DBlue1.1@7770,12940 ; DBlue1.1@7770,12935 DBlue1.1@7770,12940 ; DRed1.1@7775,12525 DRed1.1@7775,12530 DBlue1.1@7775,12935 ; 7775,12980 DBlue1.1@7775,12935 ; Ureg.1@8000,13705 Cin.2@8115,13705 ; Cin.2@8175,13700 8495,13700 ; JalimBal.1@9080,14975 JalimBal.1@9085,14975 ; Dprotect.2@9430,15070 Dprotect.2@9435,15065 ; DBlue1.1@7770,12940 DBlue1.1@7775,12935
  1-TOP w80: 5075,5600 5075,12560 ; 5080,12560 5075,12560 ; 7775,12980 7895,13100 ; 9002.5,14907.5 9165,15070 Dprotect.2@9430,15070 ; JalimBal.1@9080,14975 8825,14720 8825,14030 8495,13700 7895,13100 ; 5075,12560 5105,12590 6800,12590 7310,13100 7895,13100
pads on no net: *.0 *.1 D5.2 D18.2 DRxXbee.2 J37.FIX1 J37.FIX2 J_ACT_COD_INT.FIX1 J_ACT_COD_INT.FIX2 J_ACT_COD_QEx.FIX1 J_ACT_COD_QEx.FIX2 J_ACT_MOT12.FIX1 J_ACT_MOT12.FIX2 J_ACT_MOT_34.FIX1 J_ACT_MOT_34.FIX2 J_BIROUTE.4 J_BT.1 J_BT.6 J_U2ST.FIX1 J_U2ST.FIX2 JcodDroite.FIX1 JcodDroite.FIX2 JcodGauche.FIX1 JcodGauche.FIX2 JMotProp.FIX1 JMotProp.FIX2 PROPULSION.2 PROPULSION.5 PROPULSION.6 PROPULSION.7 PROPULSION.8 PROPULSION.13 PROPULSION.14 PROPULSION.15 PROPULSION.16 PROPULSION.35 PROPULSION.36 Qz.2 Qz.3 STAct.3 STProp.3 STRATEGIE.2 STRATEGIE.5 STRATEGIE.6 STRATEGIE.7 STRATEGIE.8 STRATEGIE.9 STRATEGIE.10 STRATEGIE.11 STRATEGIE.12 STRATEGIE.13 STRATEGIE.14 STRATEGIE.15 STRATEGIE.16 STRATEGIE.20 STRATEGIE.21 STRATEGIE.22 STStrat.3 STSup.3 SUPERVISION.2 SUPERVISION.5 SUPERVISION.6 SUPERVISION.9 SUPERVISION.10 SUPERVISION.11 SUPERVISION.12 SUPERVISION.13 SUPERVISION.14 SUPERVISION.15 SUPERVISION.16 U1.2 U1.4 U1.5 U1.6 U1.7 U1.8 U1.9 U1.11 U1.12 U1.13 U1.14 U1.16 U1.31 U1.32 U1.33 U1.34 U1.38 U1.41 U1.44 U2.4 U2.6 U2.7 U2.8 U2.9 U2.11 U2.12 U2.14 U2.16 U2.17 U2.18 U2.19 U2.20 U_RTC.7 Umax485.7

## Polygon pours and split planes (outlines as drawn)
GND_STRAT on 4-BOT "4-GND_STRAT" (solid, pour order 1002): 10125,13085 7115,13085 6550,12520 5025,12520 5025,10135 8220,10135 8985,9370 10125,9370
GND on 4-BOT "4-GND" (solid, pour order 1004): 5025,15215 10490,15215 10490,5025 5025,5025
GND_ACT on 4-BOT "4-GND_ACT" (solid, pour order 1001): 8075,5025 10095,5025 10095,9350 8970,9350 8205,10115 5025,10115 5025,7455 6725,7455 6725,7445 8070,6100
GND_SUP on 4-BOT "4-GND_SUP" (solid, pour order 1003): 5025,12540 7120,12540 7120,15210 5025,15210
GND_PROP on 4-BOT "4-GND_PROP" (solid, pour order 1000): 5025,5025 8050,5025 8050,6090 6710,7430 5025,7430
GND on 1-TOP "1-GND" (solid, pour order 1007): 5025,15215 10490,15215 10490,5025 5025,5025
GND on 2-GND "2-GND" (solid, pour order 1006): 5025,15215 10490,15215 10490,5025 5025,5025
GND on 3-SIGNAL "3-GND" (solid, pour order 1005): 5025,15215 10490,15215 10490,5025 5025,5025

## Keep-outs
Keep-Out Layer:
  the board outline again, w10

## Other copper
1-TOP:
  pour cut-out: 6470,15260 7150,15260 7150,14310 6470,14310
  pour cut-out: 8940,15260 8940,14900 6470,14900 6470,15260
2-GND:
  pour cut-out: 6470,15260 7150,15260 7150,14310 6470,14310
  pour cut-out: 8940,15260 8940,14900 6470,14900 6470,15260
3-SIGNAL:
  pour cut-out: 6470,15260 7150,15260 7150,14310 6470,14310
  pour cut-out: 8940,15260 8940,14900 6470,14900 6470,15260
4-BOT:
  pour cut-out: 6470,15260 7150,15260 7150,14310 6470,14310
  pour cut-out: 8940,15260 8940,14900 6470,14900 6470,15260

## Silkscreen, mask and mechanical layers (free items; w line width, h text height)
Top Overlay:
  drawing of 5831 lines, arcs and shapes, not listed
  text "- H L" at 6385,15150 h60 r180
  text "Supervision" at 5090,15100 h80
  text "Vcc" at 9395,14945 h40
  text "SERVOS" at 9060,14705 h60
  text "CAN" at 6315,14635 h80 r180
  text "RTC" at 5865,14518.07 h60
  text "32.768k" at 6440,14463.07 h40 r180
  text "2.2k" at 5770,14458.07 h40 r90
  text "12V in" at 9925,14240 h60 r90
  text "2.2k" at 5665,14183.07 h40 r90
  text "100n" at 5985,14183.07 h40 r180
  text "GND" at 9165,14140 h40
  text "Cde" at 9370,14135 h40
  text "12V" at 8975,14130 h40
  text "3V_Pile" at 6925,14040 h40 r90
  text "EEPROM" at 5765,14033.07 h40
  text "BlueSmirfGold" at 7070,13955 h80 r90
  text "24V" at 9935,13860 h80 r90
  text "Module BlueTooth" at 6725,13780 h80 r90
  text "100n" at 5790,13753.07 h40 r180
  text "4" at 5705,13603.07 h40 r90
  text "Propulsion" at 6125,13598.07 h40
  text "5" at 5670,13568.07 h40 r90
  text "12V" at 8965,13490 h40
  text "GND" at 9160,13490 h40
  text "Actionneur" at 6125,13488.07 h40
  text "Cde" at 9365,13485 h40
  text "14" at 5705,13468.07 h40 r90
  text "15" at 5670,13433.07 h40 r90
  text "Strategie" at 6125,13363.07 h40
  text "12" at 5705,13348.07 h40 r90
  text "13" at 5665,13313.07 h40 r90
  text "Balise" at 6135,13243.07 h40
  text "10" at 5700,13233.07 h40 r90
  text "11" at 5660,13205 h40 r90
  text "Robot" at 6135,13158.07 h40
  text "8" at 5705,13118.07 h40 r90
  text "UART2" at 6775,13115 h60 r270
  text "5 v 24" at 9710,13080 h40 r90
  text "9" at 5670,13073.07 h40 r90
  text "5 v 24" at 8760,13070 h40 r90
  text "Violet" at 7520,13050 h40
  text "RB5" at 9565,13005 h60 r90
  text "RB4" at 8610,12995 h60 r90
  text "RB:" at 5695,12955 h40 r90
  text "1k" at 5830,12953.07 h40 r270
  text "-  v  +" at 8495,12930 h40 r270
  text "Rled" at 7220,12911.3 h40 r270
  text "RG8" at 8540,12845 h40 r270
  text "BAT54C" at 5950,12823.07 h40 r90
  text "5V - xx - 24V" at 10100,12755 h40 r90
  text "5V - xx - 24V" at 9150,12745 h40 r90
  text "NMOS" at 7090,12635 h40 r90
  text "Rouge" at 7500,12635 h40
  text "Rled" at 7215,12561.3 h40 r270
  text "Biroute" at 8205,12560 h60 r90
  text "5 v 24" at 9710,12450 h40 r90
  text "5 v 24" at 8760,12440 h40 r90
  text "RB2" at 8610,12375 h60 r90
  text "NMOS" at 7040,12340 h40 r90
  text "RB3" at 9565,12295 h60 r90
  text "5V - xx - 24V" at 10100,12125 h40 r90
  text "5V - xx - 24V" at 9150,12115 h40 r90
  text "Shark & Fish" at 6180,12030 h200
  text "Strategie" at 5770,12005 h80 r270
  text "5 v 24" at 9710,11820 h40 r90
  text "5 v 24" at 8760,11810 h40 r90
  text "RB14" at 8610,11740 h60 r90
  text "RB15" at 9565,11545 h60 r90
  text "2012" at 7665,11505 h200
  text "5V - xx - 24V" at 10100,11495 h40 r90
  text "5V - xx - 24V" at 9150,11485 h40 r90
  text "5 v 24" at 9710,11190 h40 r90
  text "5 v 24" at 8760,11180 h40 r90
  text "RB12" at 8610,11080 h60 r90
  text "RB13" at 9565,10915 h60 r90
  text "UART2" at 6720,10910 h60
  text "5V - xx - 24V" at 10100,10865 h40 r90
  text "5V - xx - 24V" at 9150,10855 h40 r90
  text "Terminal" at 6710,10800 h60
  text "5 v 24" at 9710,10560 h40 r90
  text "5 v 24" at 8760,10550 h40 r90
  text "RB10" at 8610,10460 h60 r90
  text "RB11" at 9565,10360 h60 r90
  text "5V - xx - 24V" at 10100,10235 h40 r90
  text "5V - xx - 24V" at 9150,10225 h40 r90
  text "Moteurs 3-4" at 6955,10115 h60 r180
  text "Moteurs 1-2" at 7670,10115 h60 r180
  text "5 v 24" at 9710,9930 h40 r90
  text "5 v 24" at 8760,9920 h40 r90
  text "RB9" at 9565,9895 h60 r90
  text "RB8" at 8610,9885 h60 r90
  text "GND" at 8430,9875 h40 r180
  text "TOR" at 8030,9870 h40 r180
  text "24V" at 8235,9870 h40 r180
  text "RG2" at 5590,9839.41 h40 r90
  text "RG3" at 5925,9839.41 h40 r90
  text "RA15" at 5710,9814.41 h40 r90
  text "RA14" at 5825,9814.41 h40 r90
  text "5V - xx - 24V" at 10100,9605 h40 r90
  text "5V - xx - 24V" at 9150,9595 h40 r90
  text "60" at 5630,9549.41 h40 r90
  text "NMOS" at 7910,9535 h40 r90
  text "60" at 5350,9504.41 h40 r90
  text "Bouchon CAN" at 5275,9469.41 h40 r90
  text "RG7" at 7985,9400 h60 r180
  text "Actionneur" at 5685,9230 h80 r270
  text "5 v 24" at 8760,9145 h40 r90
  text "RD0" at 8610,9075 h60 r90
  text "GND" at 8435,9065 h40 r180
  text "TOR" at 8035,9060 h40 r180
  text "24V" at 8240,9060 h40 r180
  text "5V - xx - 24V" at 9150,8820 h40 r90
  text "NMOS" at 7920,8730 h40 r90
  text "RG6" at 8005,8610 h60 r180
  text "Codeur QEx" at 6370,8580 h60
  text "Codeur INTx" at 7100,8565 h60
  text "5 v 24" at 9725,8515 h40 r90
  text "5 v 24" at 8775,8505 h40 r90
  text "INT1" at 8610,8365 h60 r90
  text "INT2" at 9595,8360 h60 r90
  text "5V - xx - 24V" at 10115,8190 h40 r90
  text "5V - xx - 24V" at 9165,8180 h40 r90
  text "By Pat et Matthieu" at 6310,7955 h100
  text "max485" at 5895,7900 h40 r180
  text "5 v 24" at 9725,7885 h40 r90
  text "5 v 24" at 8775,7875 h40 r90
  text "RB2" at 8610,7830 h60 r90
  text "RB3" at 9615,7775 h60 r90
  text "Made in Angers" at 6285,7765 h100
  text "Usinage : ELCO-PCB" at 6065,7615 h100
  text "5V - xx - 24V" at 10115,7560 h40 r90
  text "RB15" at 8000,7550 h60 r180
  text "5V - xx - 24V" at 9165,7550 h40 r90
  text "Courant" at 8335,7525 h60 r270
  text "Sonde" at 8415,7525 h60 r270
  text "Moteur" at 8260,7520 h60 r270
  text "GND" at 8000,7450 h60 r180
  text "RB14" at 8005,7350 h60 r180
  text "Propulsion" at 5655,7315 h80 r270
  text "RB3" at 6181.93,7261.85 h60 r180
  text "GND" at 8005,7255 h60 r180
  text "5 v 24" at 9725,7255 h40 r90
  text "5 v 24" at 8775,7245 h40 r90
  text "GND" at 6181.93,7171.85 h60 r180
  text "RB14" at 8610,7145 h60 r90
  text "RB15" at 9610,7090 h60 r90
  text "RB2" at 6181.93,7076.85 h60 r180
  text "60" at 5308.07,7043.15 h40 r270
  text "GND" at 6176.93,6981.85 h60 r180
  text "5V - xx - 24V" at 10115,6930 h40 r90
  text "Courant" at 8325,6925 h60 r270
  text "Sonde" at 8405,6925 h60 r270
  text "Moteur" at 8250,6920 h60 r270
  text "5V - xx - 24V" at 9165,6920 h40 r90
  text "RB13" at 7975,6905 h60 r180
  text "CAN" at 7086.93,6836.85 h40 r90
  text "GND" at 7965,6800 h60 r180
  text "RB12" at 7975,6705 h60 r180
  text "5 v 24" at 9725,6625 h40 r90
  text "5 v 24" at 8775,6615 h40 r90
  text "CPLD" at 5988.07,6613.15 h80
  text "GND" at 7965,6605 h60 r180
  text "RB12" at 8610,6530 h60 r90
  text "RB13" at 9630,6460 h60 r90
  text "5V - xx - 24V" at 10115,6300 h40 r90
  text "5V - xx - 24V" at 9165,6290 h40 r90
  text "CodeurG" at 8160,6235 h80 r270
  text "5 v 24" at 9725,5995 h40 r90
  text "5 v 24" at 8775,5985 h40 r90
  text "Oscillateur_24MHz" at 7213.07,5958.15 h40 r270
  text "RB11" at 9605,5925 h60 r90
  text "RB10" at 8610,5875 h60 r90
  text "5V - xx - 24V" at 10115,5670 h40 r90
  text "5V - xx - 24V" at 9165,5660 h40 r90
  text "CodeurD" at 8180,5620 h80 r270
  text "5 v 24" at 9725,5365 h40 r90
  text "5 v 24" at 8775,5355 h40 r90
  text "RB9" at 9615,5330 h60 r90
  text "RB8" at 8610,5295 h60 r90
  text "5V - xx - 24V" at 10115,5040 h40 r90
  text "5V - xx - 24V" at 9165,5030 h40 r90
Bottom Overlay:
  text "SERVOS" at 9405,14705 h60
  text "12V in" at 9940,14550 h60 r90
  text "CR2032_3V" at 6205,13718.07 h40 r180
  text "10u" at 6950,13703.07 h40
  text "1k" at 5755,13688.07 h40
  text "1k" at 5895,13108.07 h40 r180
  text "1k" at 5695,13038.07 h40 r180
  text "Moteurs 3-4" at 6940,10060 h60
  text "Moteurs 1-2" at 7665,10060 h60
  text "TOR2" at 8535,9590 h60
  text "TOR" at 8265,9415 h60
  text "TOR1" at 8510,8735 h60
  text "Codeur QEx" at 6935,8585 h60
  text "Codeur INTx" at 7700,8565 h60
  text "Bouchon CAN" at 5225,6930 h40 r270
  text "MOTEURS PROP." at 6428.07,6643.15 h60
  text "trous :" at 10110,6625 h60 r90
  text "nets :" at 10200,6625 h60 r90
  text "composants :" at 10290,6625 h60 r90
  text "vias :" at 10380,6625 h60 r90
  text "pistes :" at 10470,6625 h60 r90
  text "100n" at 6098.07,6213.15 h40 r180
  text "100n" at 6313.07,6113.15 h40 r90
  text "10k" at 6713.07,6078.15 h40 r270
  text "100n" at 6013.07,5958.15 h40 r270
  text ".Hole_Count" at 10110,5935 h60 r90
  text ".Net_Count" at 10200,5935 h60 r90
  text ".Component_Count" at 10290,5935 h60 r90
  text ".Via_Count" at 10380,5935 h60 r90
  text ".Track_Count" at 10470,5935 h60 r90
  text "100n" at 6433.07,5653.15 h40

## Dimensions
9720,14560 to 10511.81,15236.22 on Mechanical 15
9720,14560 to 10511.81,15236.22 on Mechanical 15
8120,11220 to 10511.81,15236.22 on Mechanical 15
8120,11220 to 10511.81,15236.22 on Mechanical 15
10220,9180 to 10511.81,15236.22 on Mechanical 15
8140,8000 to 10511.81,5000 on Mechanical 15
8140,8000 to 10511.81,5000 on Mechanical 15
10220,9180 to 10511.81,5000 on Mechanical 15
9370.08,5196.85 to 10511.81,5000 on Mechanical 15
9370.08,5196.85 to 10511.81,5000 on Mechanical 15
5905.51,12401.57 to 5905.51,14960.63 on Mechanical 15
5905.51,9842.52 to 5905.51,12401.57 on Mechanical 15
5905.51,9842.52 to 5905.51,7283.46 on Mechanical 15
5905.51,5196.85 to 6400,4825 on Mechanical 1
5905.51,7283.46 to 5905.51,5196.85 on Mechanical 15
5905.51,7283.46 to 5000,5000 on Mechanical 15
5905.51,5196.85 to 5000,5000 on Mechanical 15
5905.51,5196.85 to 5000,5000 on Mechanical 15
5000,15236.22 to 5000,5000 on Mechanical 15
5000,5000 to 10511.81,5000 on Mechanical 15

## Text inside footprints (layer, text, board x,y; h text height)
U2: Top Overlay "MODULE" at 7718.11,14596.54 h118.11